# Altium PCB BrewController.PcbDoc (continued)
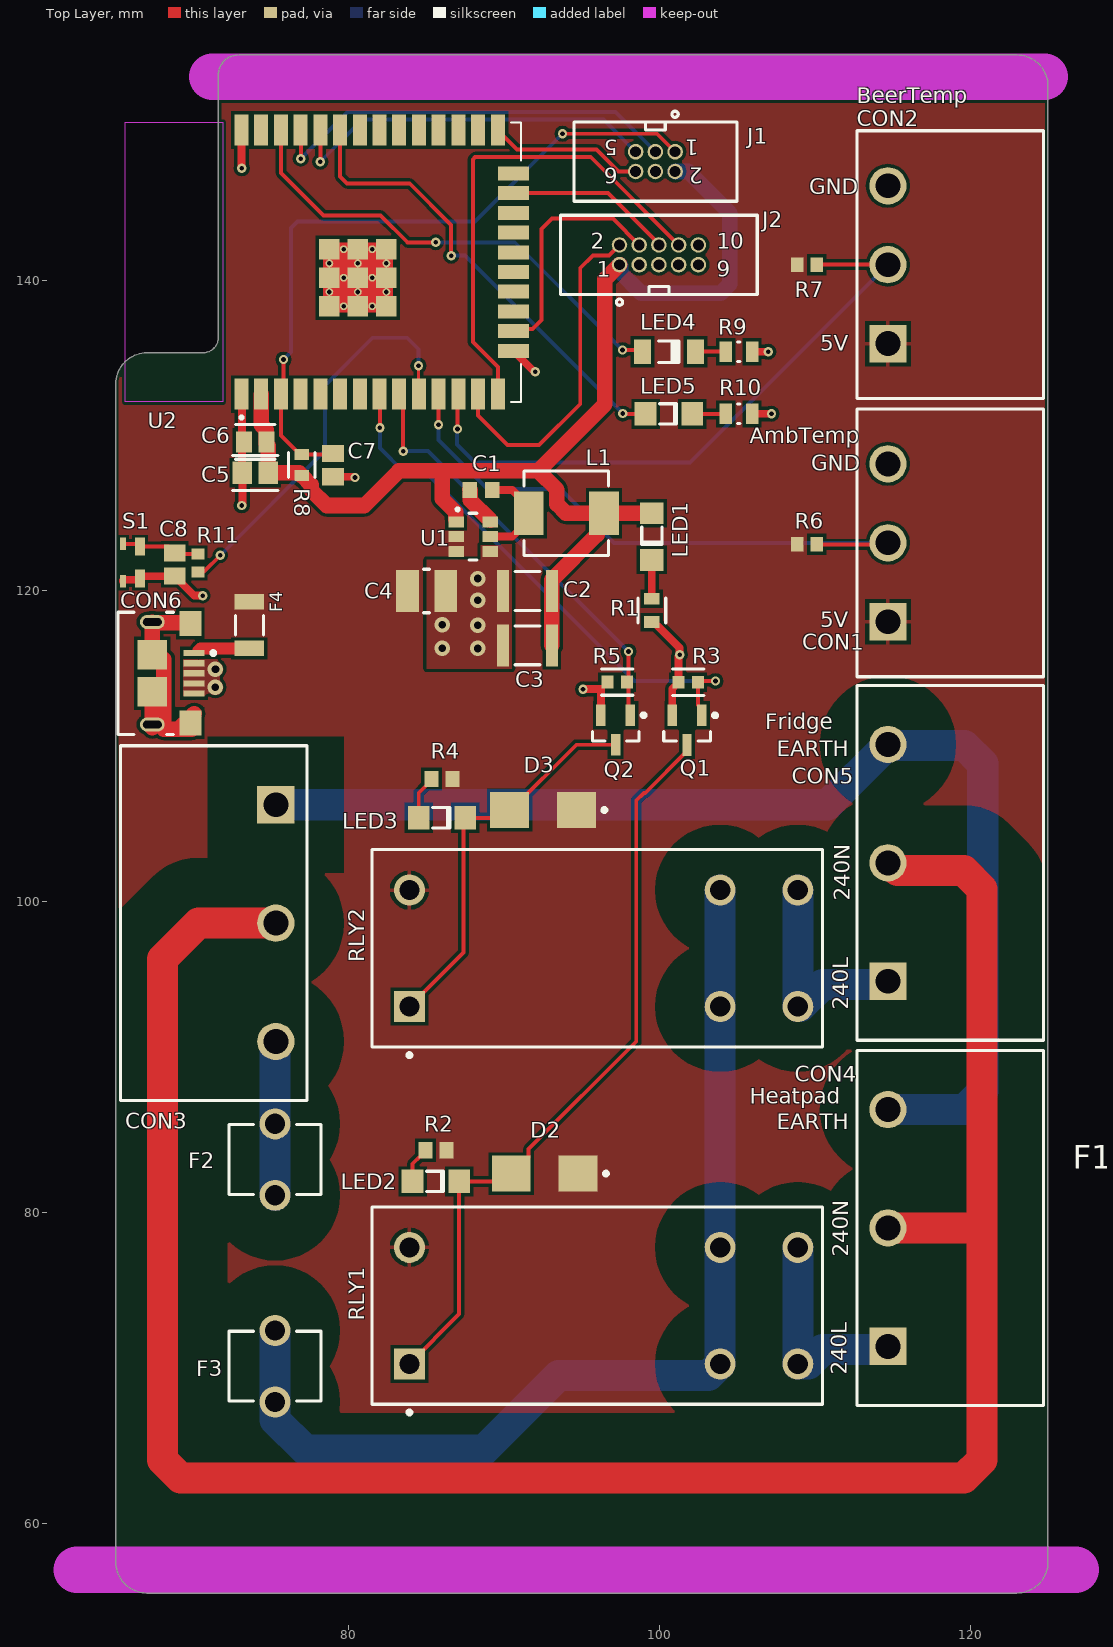
[diagram p0: Top Layer view]
## Part data (continued)
C4: library part CMP-13271-001383-1, "Cap Ceramic 10uF 25V X7R ±10% SMD 1210 +125°C Embossed T/R", Capacitance=10uF, Case Code (Imperial)=1210, Case Code (Metric)=3225, Dielectric=X7R, Manufacturer=Samsung, Max Operating Temperature=125°C, Min Operating Temperature=-55°C, Package Quantity=1000, Supplier Part Number 1=1276-1807-1-ND, Tolerance=10%, Voltage=25V, Case/Package=1210, Category="Ceramic Capacitors", ComponentLink1Description=https://datasheet.ciiva.com/25791/cl32b106kajnnne-25791845.pdf?src-supplier=Digi-Key, ComponentLink1URL=https://datasheet.ciiva.com/25791/cl32b106kajnnne-25791845.pdf?src-supplier=Digi-Key, ComponentLink2Description=https://datasheet.ciiva.com/16437/cl32b106kajnnne-16437180.pdf?src-supplier=Future+Electronics, ComponentLink2URL=https://datasheet.ciiva.com/16437/cl32b106kajnnne-16437180.pdf?src-supplier=Future+Electronics, ComponentLink3Description=https://datasheet.ciiva.com/29202/450857-da-01-en-vs-kondensator-1210-29202679.pdf?src-supplier=Conrad, ComponentLink3URL=https://datasheet.ciiva.com/29202/450857-da-01-en-vs-kondensator-1210-29202679.pdf?src-supplier=Conrad, Contact Plating=Tin, Depth=2.5mm, Height=2.5mm, Length=3.2mm, Manufacturer Part Number=CL32B106KAJNNNE, Material=Ceramic, Mount="Surface Mount", Packaging="Tape and Reel", Radiation Hardening=No, RoHS=Yes, Stock 1=108118, Supplier 1=Digi-Key, Thickness=0.106inch, Voltage Rating=25V, Width=0.098inch
C5: library part CMP-13271-001110-1, "CL21 Series 0805 100nF 50V ±20% Tolerance X7R Multilayer Ceramic Chip Capacitor", Capacitance=100nF, Case Code (Imperial)=0805, Case Code (Metric)=2012, Dielectric=X7R, Manufacturer=Samsung, Max Operating Temperature=125°C, Min Operating Temperature=-55°C, Package Quantity=1, Supplier Part Number 1=1276-2450-1-ND, Tolerance=20%, Voltage=50V, Case/Package=0805, Category="Ceramic Capacitors", ComponentLink1Description=https://datasheet.ciiva.com/16428/cl21b104mbcnnnc-16428869.pdf?src-supplier=Future+Electronics, ComponentLink1URL=https://datasheet.ciiva.com/16428/cl21b104mbcnnnc-16428869.pdf?src-supplier=Future+Electronics, ComponentLink2Description=https://datasheet.ciiva.com/26838/getdatasheetpartid-746552-26838664.pdf?src-supplier=Verical, ComponentLink2URL=https://datasheet.ciiva.com/26838/getdatasheetpartid-746552-26838664.pdf?src-supplier=Verical, ComponentLink3Description=https://datasheet.ciiva.com/25780/cl21b104mbcnnnc-25780224.pdf?src-supplier=Digi-Key, ComponentLink3URL=https://datasheet.ciiva.com/25780/cl21b104mbcnnnc-25780224.pdf?src-supplier=Digi-Key, Depth=1.25mm, Height=0.85mm, Lead Free="Lead Free", Length=2mm, Manufacturer Part Number=CL21B104MBCNNNC, Mount="Surface Mount", Packaging="Tape and Reel", Radiation Hardening=No, RoHS=Yes, Stock 1=1894069, Supplier 1=Digi-Key, Thickness=0.037inch, Voltage Rating=50V, Voltage Rating (DC)=50V, Width=0.049inch
C6: library part CMP-13271-002990-1, "CL21 Series 0805 22uF 16V ±20% Tolerance X5R Multilayer Ceramic Chip Capacitor", Capacitance=22uF, Case Code (Imperial)=0805, Case Code (Metric)=2012, Manufacturer=Samsung, Max Operating Temperature=85°C, Min Operating Temperature=-55°C, Supplier Part Number 1=1276-6780-1-ND, Tolerance=20%, Voltage Rating=16V, Case/Package=0805, Category="Ceramic Capacitors", ComponentLink1Description=http://www.samsungsem.com/kr/support/product-search/mlcc/CL21A226MOCLRNC.jsp?src-supplier=Digi-Key, ComponentLink1URL=http://www.samsungsem.com/kr/support/product-search/mlcc/CL21A226MOCLRNC.jsp?src-supplier=Digi-Key, Length=0.079inch, Manufacturer Part Number=CL21A226MOCLRNC, Mount="Surface Mount", Packaging="Tape and Reel", RoHS=Yes, Stock 1=613946, Supplier 1=Digi-Key, Thickness=0.037inch, Width=0.049inch
C7 C8: "Cap Ceramic 0.1uF 50V X7R 20% SMD 0805 125C Paper T/R", Capacitance=100nF, Case Code (Imperial)=0805, Case Code (Metric)=2012, Dielectric=X7R, Manufacturer=Samsung, Manufacturer Part Number=CL21B104MBCNNNC, Max Operating Temperature=125°C, Min Operating Temperature=-55°C, Package Quantity=1, Supplier Part Number 1=1276-2450-1-ND, Tolerance=20%, Voltage=50V, Case/Package=0805, Category="Ceramic Capacitors", ComponentLink1Description=https://datasheet.ciiva.com/16428/cl21b104mbcnnnc-16428869.pdf?src-supplier=Future+Electronics, ComponentLink1URL=https://datasheet.ciiva.com/16428/cl21b104mbcnnnc-16428869.pdf?src-supplier=Future+Electronics, ComponentLink2Description=https://datasheet.ciiva.com/26838/getdatasheetpartid-746552-26838664.pdf?src-supplier=Verical, ComponentLink2URL=https://datasheet.ciiva.com/26838/getdatasheetpartid-746552-26838664.pdf?src-supplier=Verical, ComponentLink3Description=https://datasheet.ciiva.com/25780/cl21b104mbcnnnc-25780224.pdf?src-supplier=Digi-Key, ComponentLink3URL=https://datasheet.ciiva.com/25780/cl21b104mbcnnnc-25780224.pdf?src-supplier=Digi-Key, Depth=1.25mm, Height=0.85mm, Lead Free="Lead Free", Length=2mm, Manufacturer 1=Samsung, Manufacturer Part Number 1=CL21B104MBCNNNC, Mount="Surface Mount", Packaging="Tape and Reel", Pricing 1="1=0.10000, 10=0.04500, 100=0.02020, 500=0.01444, 1000=0.01134 (USD)", Radiation Hardening=No, RoHS=Yes, Stock 1=1894069, Supplier 1=Digi-Key, Thickness=0.037inch, Voltage Rating=50V, Voltage Rating (DC)=50V, Width=0.049inch
CON1 CON2: library part CMP-1502-02193-1, "Serie 313 - 5.08mm Close Horizontal PCB Header WR-TBL, 3 pin", Color=Green, Current=20A, Manufacturer="Wurth Elektronik", Manufacturer Part Number=691313510003, Operating Temperature=-40to105degC, Package Quantity=450, Supplier Part Number 1=732-2071-ND, Voltage=300V, Category="Terminal Blocks", ComponentLink1Description=http://www.produktinfo.conrad.com/datenblaetter/1000000-1099999/001088686-da-01-en-WR_TBL_TERMINAL_BLOCK313_691313510003.pdf?src-supplier=Conrad, ComponentLink1URL=http://www.produktinfo.conrad.com/datenblaetter/1000000-1099999/001088686-da-01-en-WR_TBL_TERMINAL_BLOCK313_691313510003.pdf?src-supplier=Conrad, ComponentLink2Description=https://www.distrelec.bizhttp://katalog.we-online.de/em/datasheet/6913135100xx.pdf?mime=application%2Fpdf&src-supplier=Distrelec, ComponentLink2URL=https://www.distrelec.bizhttp://katalog.we-online.de/em/datasheet/6913135100xx.pdf?mime=application%2Fpdf&src-supplier=Distrelec, ComponentLink3Description=http://www.farnell.com/datasheets/1442232.pdf?src-supplier=Element14, ComponentLink3URL=http://www.farnell.com/datasheets/1442232.pdf?src-supplier=Element14, ComponentLink4Description=http://katalog.we-online.de/kataloge/eican/media/pdf/6913135100xx.pdf?src-supplier=Newark, ComponentLink4URL=http://katalog.we-online.de/kataloge/eican/media/pdf/6913135100xx.pdf?src-supplier=Newark, ComponentLink5Description=https://katalog.we-online.de/em/datasheet/6913135100xx.pdf?src-supplier=Digi-Key, ComponentLink5URL=https://katalog.we-online.de/em/datasheet/6913135100xx.pdf?src-supplier=Digi-Key, ComponentLink6Description=http://katalog.we-online.de/kataloge/eican/media/pdf/6913135100xx.pdf?src-supplier=Farnell, ComponentLink6URL=http://katalog.we-online.de/kataloge/eican/media/pdf/6913135100xx.pdf?src-supplier=Farnell, Contact Material=Brass, Contact Plating=Tin, Datasheet URL=http://katalog.we-online.de/em/datasheet/6913135100xx.pdf, Gender=Male, Height=12mm, Length=11.5mm, Manufacturer URL=http://www.we-online.de, Mount="Through Hole", Mounting Technology=THT, Number Of Contacts=3, Number of Levels=1, Number of Positions Per Level=3, Number of Rows=1, Package Reference=691313510003, Packaging=Box, Part Number=691313510003, Pin Number=3, Pitch=5.08mm, Publisher=WurthElektronik, REACH SVHC=Unknown, RoHS=Yes, Stock 1=820, Supplier 1=Digi-Key, Termination=Solder, Width=17.24mm
CON3: library part CMP-1502-02425-1, "Serie 3134 - 7.62mm Close Horizontal PCB Header WR-TBL, 3 pin", Color=Green, Current=20A, Manufacturer="Wurth Elektronik", Operating Temperature=-40to105degC, Package Quantity=300, Supplier Part Number 1=8267481, Voltage=300V, Category="Terminal Blocks", ComponentLink1Description=https://datasheet.ciiva.com/795/6913134100xx-795899.pdf?src-supplier=Digi-Key, ComponentLink1URL=https://datasheet.ciiva.com/795/6913134100xx-795899.pdf?src-supplier=Digi-Key, ComponentLink2Description=https://datasheet.ciiva.com/8043/1442230-8043548.pdf?src-supplier=Element14, ComponentLink2URL=https://datasheet.ciiva.com/8043/1442230-8043548.pdf?src-supplier=Element14, ComponentLink3Description=https://datasheet.ciiva.com/48692/001088680-da-01-en-wr-tbl-terminal-block3134-691313410003-48692890.pdf?src-supplier=Conrad, ComponentLink3URL=https://datasheet.ciiva.com/48692/001088680-da-01-en-wr-tbl-terminal-block3134-691313410003-48692890.pdf?src-supplier=Conrad, Contact Material=Brass, Datasheet URL=http://katalog.we-online.de/em/datasheet/6913134100xx.pdf, Gender=Male, Height=12mm, Length=12.5mm, Manufacturer Part Number=691313410003, Manufacturer URL=http://www.we-online.de, Mount="Through Hole", Mounting Technology=THT, Number Of Contacts=3, Number of Levels=1, Number of Positions Per Level=3, Number of Rows=1, Package Reference=691313410003, Packaging=Box, Part Number=691313410003, Pin Number=3, Pitch=7.62mm, Pricing 1="1=1.28000 (AUD)", Publisher=WurthElektronik, REACH SVHC=Unknown, RoHS=Yes, Stock 1=119, Supplier 1=RSComponents, Termination=Solder, Width=22.86mm
CON4 CON5: library part CMP-1502-02425-1, "Serie 3134 - 7.62mm Close Horizontal PCB Header WR-TBL, 3 pin", Color=Green, Current=20A, Manufacturer="Wurth Elektronik", Manufacturer Part Number=691313410003, Operating Temperature=-40to105degC, Package Quantity=300, Supplier Part Number 1=8267481, Voltage=300V, Category="Terminal Blocks", ComponentLink1Description=https://datasheet.ciiva.com/795/6913134100xx-795899.pdf?src-supplier=Digi-Key, ComponentLink1URL=https://datasheet.ciiva.com/795/6913134100xx-795899.pdf?src-supplier=Digi-Key, ComponentLink2Description=https://datasheet.ciiva.com/8043/1442230-8043548.pdf?src-supplier=Element14, ComponentLink2URL=https://datasheet.ciiva.com/8043/1442230-8043548.pdf?src-supplier=Element14, ComponentLink3Description=https://datasheet.ciiva.com/48692/001088680-da-01-en-wr-tbl-terminal-block3134-691313410003-48692890.pdf?src-supplier=Conrad, ComponentLink3URL=https://datasheet.ciiva.com/48692/001088680-da-01-en-wr-tbl-terminal-block3134-691313410003-48692890.pdf?src-supplier=Conrad, Contact Material=Brass, Datasheet URL=http://katalog.we-online.de/em/datasheet/6913134100xx.pdf, Gender=Male, Height=12mm, Length=12.5mm, Manufacturer URL=http://www.we-online.de, Mount="Through Hole", Mounting Technology=THT, Number Of Contacts=3, Number of Levels=1, Number of Positions Per Level=3, Number of Rows=1, Package Reference=691313410003, Packaging=Box, Part Number=691313410003, Pin Number=3, Pitch=7.62mm, Pricing 1="1=1.28000 (AUD)", Publisher=WurthElektronik, REACH SVHC=Unknown, RoHS=Yes, Stock 1=119, Supplier 1=RSComponents, Termination=Solder, Width=22.86mm
CON6: library part CMP-2000-05119-1, "Micro USB B Type Receptacle, -55 to 85 degC, 5-Pin SMD, RoHS, Tape and Reel", Color=Black, Current Rating=1.8A, Flammability Rating=UL94V-0, Insulation Resistance=1000MOhms, Manufacturer=FCI, Max Operating Temperature=85°C, Max Voltage Rating (AC)=100V, Min Operating Temperature=-55°C, Operating Temperature Range=-55Cto+85C, Package Quantity=1200, Supplier Part Number 1=609-4616-1-ND, Brand=FCI, Category="USB Connectors", ComponentLink1Description=https://datasheet.ciiva.com/851/10118193-851106.pdf?src-supplier=Digi-Key, ComponentLink1URL=https://datasheet.ciiva.com/851/10118193-851106.pdf?src-supplier=Digi-Key, ComponentLink2Description=https://datasheet.ciiva.com/4598/10118193ac-197151-4598799.pdf?src-supplier=Mouser, ComponentLink2URL=https://datasheet.ciiva.com/4598/10118193ac-197151-4598799.pdf?src-supplier=Mouser, ComponentLink3Description=https://datasheet.ciiva.com/26853/getdatasheetpartid-418618-26853893.pdf?src-supplier=Verical, ComponentLink3URL=https://datasheet.ciiva.com/26853/getdatasheetpartid-418618-26853893.pdf?src-supplier=Verical, ComponentLink4Description=https://datasheet.ciiva.com/14802/10118193-0001lf-webpage-14802386.pdf?src-supplier=Arrow+Electronics, ComponentLink4URL=https://datasheet.ciiva.com/14802/10118193-0001lf-webpage-14802386.pdf?src-supplier=Arrow+Electronics, ComponentLink5Description=https://datasheet.ciiva.com/851/10118193-851108.pdf?src-supplier=Digi-Key, ComponentLink5URL=https://datasheet.ciiva.com/851/10118193-851108.pdf?src-supplier=Digi-Key, ComponentLink6Description=https://datasheet.ciiva.com/851/10118193-851107.pdf?src-supplier=Digi-Key, ComponentLink6URL=https://datasheet.ciiva.com/851/10118193-851107.pdf?src-supplier=Digi-Key, ComponentLink7Description=https://datasheet.ciiva.com/14618/70236827-14618887.pdf?src-supplier=Allied+Electronics, ComponentLink7URL=https://datasheet.ciiva.com/14618/70236827-14618887.pdf?src-supplier=Allied+Electronics, Connector Type=MicroUSBTypeBreceptacle, Contact Material=CopperAlloy, Contact Plating=Gold, Datasheet URL=http://datasheet.octopart.com/10118193-0001LF-FCI-datasheet-55953155.pdf, Datasheet Version="Rev. C, 05/2015", Depth=5.67mm, Factory Pack Quantity=1200, Features=Shielded, Gender=Female, Housing Material=Polymer, Length=7.86mm, Manufacturer Part Number=10118193-0001LF, Manufacturer URL=http://www.fci.com/, Mount="Surface Mount,Horizontal", Mounting Angle=Right, Number Of Contacts=5Contact, Number of Ports=1, Number of Terminals=5, Orientation="Right Angle", Packaging=Reel, Pitch=0.65mm, Product=MicroUSBTypeBConnectors, Product Category=USBConnectors, Radiation Hardening=No, RoHS=Details, Standard=USB2.0, Stock 1=49167, Supplier 1=Digi-Key, Termination=Solder, Termination Style=SMD/SMT, Voltage Rating=100V
D2 D3: library part CMP-0586-00001-2, "1.0 A Surface Mount Glass Passivated Rectifier, SMB, -65 to 150 degC, Tape and Reel", Average Rectified Current=1A, Capacitance=10pF, Case/Package=SMB, Forward Voltage=1.1V, Forward Voltage (Max)="1.1 V", Manufacturer="Diodes Inc", Max Operating Temperature=150°C, Max Repetitive Reverse Voltage (Vrrm)=50V, Max Reverse Current=5uA, Max Surge Current=30A, Min Operating Temperature=-65°C, Operating and Storage Temperature Range="-65 to 150 degC", Package Quantity=3000, Supplier Part Number 1=S1AB-FDICT-ND, Typical Thermal Resistance, Junction to Terminal="30 degC/W", Typical Total Capacitance (Type)="10 pF", Category="Rectifier Diodes", ComponentLink1Description="Manufacturer URL", ComponentLink1URL=http://www.diodes.com/, ComponentLink2Description=Datasheet, ComponentLink2URL=http://www.diodes.com/datasheets/ds16003.pdf, ComponentLink3Description="Package Specification", ComponentLink3URL=http://www.diodes.com/datasheets/ds16003.pdf, ComponentLink4Description=https://datasheet.ciiva.com/8303/ds16003-8303190.pdf?src-supplier=Avnet, ComponentLink4URL=https://datasheet.ciiva.com/8303/ds16003-8303190.pdf?src-supplier=Avnet, ComponentLink5Description=https://datasheet.ciiva.com/16200/ds16003-16200248.pdf?src-supplier=Future+Electronics, ComponentLink5URL=https://datasheet.ciiva.com/16200/ds16003-16200248.pdf?src-supplier=Future+Electronics, Current Rating=1A, DatasheetVersion="Rev. 22-2", Element Configuration=Single, Forward Current=1A, Height=2.42mm, Lead Free="Lead Free", Length=4.57mm, Manufacturer Part Number=S1AB-13-F, Max Reverse Voltage (DC)=50V, Mounting Technology="Surface Mount", Number of Pins=2, Output Current=1A, PackageDescription="2-Pin SMD, Body 3.62 x 4.315 mm", PackageReference=S1AB-13-F, Packaging="Tape and Reel", Packing="Tape and Reel", PartNumber=S1AB-13-F, Peak Non-Repetitive Surge Current=30A, Polarity=Standard, Radiation Hardening=No, Recovery Time=1.8us, Reverse Recovery Time=1.8us, Reverse Recovery Time (Type)="1.8 us", Reverse Voltage (DC)=50V, RoHS=Yes, RoHS Compliance=TRUE, Stock 1=46580, Supplier 1=Digi-Key, Termination=SMD/SMT, Voltage Rating (DC)=50V, Weight=0.00328oz, Width=3.94mm
F1: library part CMP-08605-000057-1, "FUSE GLASS 2A 250VAC 5X20MM", Fuse Current=2A, Fuse Interrupt Ac Current=35A, Fuse Voltage Drop=150mV, Manufacturer="Littelfuse Inc", Max Fuse Ac Voltage=250V, Package=0, Resistance=0.0293Ω, Temperature="-55°C to +125°C", Temperature Range High=+125°C, Temperature Range Low=-55°C, Automotive=No, Category=Fuse, ComponentLink2Description=Datasheet, ComponentLink2URL=https://www.littelfuse.com/~/media/electronics/datasheets/fuses/littelfuse_fuse_218_datasheet.pdf.pdf, Device Class L1="Circuit Protection", Device Class L2=Fuses, Device Class L3=unset, Digikey Description="FUSE GLASS 2A 250VAC 5X20MM", Fuse Blow Speed=Slow, Fuse I2T=14.45A2Sec, Height=5.3mm, Lead Free=Yes, Manufacturer Part Number=0218002.MXP, Mouser Description="Cartridge Fuses 250V 2A Time Lag (Slo-Blo)", Octopart=https://octopart.com/0218002.mxp-littelfuse-558306, RoHS=TRUE, Voltage Rating=250V
F2 F3: library part CMP-08604-000025-1, "FUSE CLIP CARTRIDGE 600V 20A PCB", Current Rating=20A, Manufacturer=Littelfuse, Package Quantity=1000, Supplier Part Number 1=F4225-ND, Voltage=600V, Voltage Rating=250V, Body Material=Bronze, Category="Fuse Holders", ComponentLink1Description=https://datasheet.ciiva.com/4479/littelfuse-100-445-030-520-fuseclip-195180-4479865.pdf?src-supplier=Mouser, ComponentLink1URL=https://datasheet.ciiva.com/4479/littelfuse-100-445-030-520-fuseclip-195180-4479865.pdf?src-supplier=Mouser, Contact Material=Bronze, Contact Plating=Tin, Depth=5.9mm, Length=4.1mm, Manufacturer Part Number=01000020Z, Mount=PCB, Number of Circuits=1, Orientation=Horizontal, Packaging=Bulk, RoHS=Yes, Stock 1=20344, Supplier 1=Digi-Key, Termination="PC Pin"
F4: library part CMP-16043-000004-1, "PTC RESET FUSE 8V 500MA 1206", Case Code (Imperial)=1206, Case Code (Metric)=3216, Hold Current=500mA, Manufacturer=Bel, Max Current Rating=100A, Max Operating Temperature=85°C, Min Operating Temperature=-40°C, Package Quantity=1, Supplier Part Number 1=507-1802-1-ND, Trip Current=1A, Case/Package=1206, Category="PTC Resettable Fuses", ComponentLink1Description=http://www.farnell.com/datasheets/2571638.pdf?src-supplier=Farnell, ComponentLink1URL=http://www.farnell.com/datasheets/2571638.pdf?src-supplier=Farnell, ComponentLink2Description=https://www.belfuse.com/resources/CircuitProtection/datasheets/0ZCJ%20Nov2016.pdf?src-supplier=Digi-Key, ComponentLink2URL=https://www.belfuse.com/resources/CircuitProtection/datasheets/0ZCJ%20Nov2016.pdf?src-supplier=Digi-Key, ComponentLink3Description=http://belfuse.com/pdfs/0ZCJ.pdf?src-supplier=Avnet, ComponentLink3URL=http://belfuse.com/pdfs/0ZCJ.pdf?src-supplier=Avnet, ComponentLink4Description=http://belfuse.com/pdfs/0ZCJ.pdf?src-supplier=Avnet+Asia, ComponentLink4URL=http://belfuse.com/pdfs/0ZCJ.pdf?src-supplier=Avnet+Asia, ComponentLink5Description=http://www.farnell.com/datasheets/2571638.pdf?src-supplier=Newark, ComponentLink5URL=http://www.farnell.com/datasheets/2571638.pdf?src-supplier=Newark, Contact Plating=Tin, Lead Free="Lead Free", Manufacturer Part Number=0ZCJ0050FF2G, Mount="Surface Mount", Packaging="Tape and Reel", RoHS=Yes, Stock 1=196684, Supplier 1=Digi-Key, Time to Trip=0.1s
J1: "CONN HEADER 6POS UNSHD VERT T/H", Color=Black, Contact Resistance=30mR, Current Rating=6A, Insulation Resistance=100MR, Manufacturer="Amphenol FCI", Manufacturer Part Number=20021111-00006T4LF, Max Operating Temperature=85°C, Max Voltage Rating (AC)=125V, Min Operating Temperature=-40°C, Package Quantity=153, Supplier Part Number 1=609-3710-ND, Category="Headers and Wire Housings", ComponentLink1Description=https://datasheet.ciiva.com/1433/1079612-1433265.pdf?src-supplier=Element14, ComponentLink1URL=https://datasheet.ciiva.com/1433/1079612-1433265.pdf?src-supplier=Element14, ComponentLink2Description=https://datasheet.ciiva.com/10033/20021111-10033816.pdf?src-supplier=Avnet, ComponentLink2URL=https://datasheet.ciiva.com/10033/20021111-10033816.pdf?src-supplier=Avnet, ComponentLink3Description=https://datasheet.ciiva.com/409/20021111-409250.pdf?src-supplier=Digi-Key, ComponentLink3URL=https://datasheet.ciiva.com/409/20021111-409250.pdf?src-supplier=Digi-Key, ComponentLink4Description=https://datasheet.ciiva.com/5131/20021111-5131319.pdf?src-supplier=Mouser, ComponentLink4URL=https://datasheet.ciiva.com/5131/20021111-5131319.pdf?src-supplier=Mouser, Connector Type="Male Pin,Header", Contact Material="Nickel,Copper Alloy,Copper,Gold", Contact Mating Length=0.12inch, Contact Plating=Gold, Contact Post Length=2.3mm, Depth=3.4mm, Gender=Male, Housing Color=Black, Housing Material=Thermoplastic, Lead Free="Lead Free", Length=3.81mm, Manufacturer 1="Amphenol FCI", Manufacturer Part Number 1=20021111-00006T4LF, Mount="Through Hole", Number Of Contacts=6, Number of Positions=6, Number of Rows=2, Orientation=Straight, Packaging=Rail/Tube, Pitch=1.27mm, Pricing 1="1=0.42000, 10=0.39200, 100=0.30080, 500=0.26160, 1000=0.21582, 5000=0.18966, 10000=0.17658 (USD)", REACH SVHC="No SVHC", RoHS=Yes, Row Spacing=0.05inch, Stock 1=8493, Supplier 1=Digi-Key, Termination=Solder, Voltage Rating=125V
J2: "CONN HEADER VERT 10POS 1.27MM", Manufacturer="CNC Tech", Manufacturer Part Number=3220-10-0100-00, Package Quantity=3200, Supplier Part Number 1=1175-1627-ND, Category="Headers and Wire Housings", ComponentLink1Description=https://datasheet.ciiva.com/18655/3220-xx-0100-00-18655342.pdf?src-supplier=Digi-Key, ComponentLink1URL=https://datasheet.ciiva.com/18655/3220-xx-0100-00-18655342.pdf?src-supplier=Digi-Key, Connector Type="Male Pin", Contact Plating=Gold, Manufacturer 1="CNC Tech", Manufacturer Part Number 1=3220-10-0100-00, Mount="Through Hole", Number of Positions=10, Number of Rows=2, Packaging=Tray, Pitch=0.05inch, Pricing 1="1=0.58000, 10=0.54000, 100=0.41400, 500=0.36000, 1000=0.29700, 5000=0.26100, 10000=0.24300 (USD)", RoHS=Yes, Row Spacing=0.05inch, Stock 1=83441, Supplier 1=Digi-Key, Termination=Solder
L1: library part CMP-02424-000416-1, "Fixed Inductors Commercial Low DCR Series 4.7uH 3.2A 81.3mΩ 20%", Case/Package=2020, Current Rating=3.2A, DC Resistance (DCR)=81.3mR, Inductance=4.7uH, Inductance Tolerance=20%, Manufacturer="Vishay Dale", Max DC Current=3A, Max Operating Temperature=125°C, Min Operating Temperature=-55°C, Package Quantity=2000, Self Resonant Frequency=27MHz, Supplier Part Number 1=541-1222-1-ND, Test Frequency=100kHz, Category="Fixed Inductors", ComponentLink1Description=https://datasheet.ciiva.com/11798/0900766b8102c92e-11798345.pdf?src-supplier=RSComponents, ComponentLink1URL=https://datasheet.ciiva.com/11798/0900766b8102c92e-11798345.pdf?src-supplier=RSComponents, ComponentLink2Description=https://datasheet.ciiva.com/16496/lp20bz11-16496630.pdf?src-supplier=Future+Electronics, ComponentLink2URL=https://datasheet.ciiva.com/16496/lp20bz11-16496630.pdf?src-supplier=Future+Electronics, ComponentLink3Description=https://datasheet.ciiva.com/1051/lp20bz11-1051771.pdf?src-supplier=Digi-Key, ComponentLink3URL=https://datasheet.ciiva.com/1051/lp20bz11-1051771.pdf?src-supplier=Digi-Key, ComponentLink4Description=https://datasheet.ciiva.com/1051/lp20bz11-1051772.pdf?src-supplier=Digi-Key, ComponentLink4URL=https://datasheet.ciiva.com/1051/lp20bz11-1051772.pdf?src-supplier=Digi-Key, ComponentLink5Description=https://datasheet.ciiva.com/1051/lp20bz11-1051773.pdf?src-supplier=Digi-Key, ComponentLink5URL=https://datasheet.ciiva.com/1051/lp20bz11-1051773.pdf?src-supplier=Digi-Key, Core Material=Metal, Depth=5.43mm, Height=2mm, Height - Seated (Max)=0.079inch, Lead Free="Lead Free", Length=5.49mm, Manufacturer Part Number=IHLP2020BZER4R7M11, Military Standard=Not, Mount="Surface Mount", Number of Pins=2020, Packaging="Tape and Reel", Radiation Hardening=No, REACH SVHC=Unknown, RMS Current (Irms)=3.2A, RoHS=Yes, Saturation Current=3A, Shielding=Shielded, Stock 1=301, Supplier 1=Digi-Key, Termination=SMD/SMT, Tolerance=20%, Width=0.204inch
LED1 LED2 LED3: library part CMP-1426-00016-1, "SMD mono-color Chip LED, WL-SMCW, Bright Green", Case Code (Imperial)=1206, Case Code (Metric)=3216, Color="Bright Green", Forward Current=30mA, Forward Voltage=2V, Manufacturer="Wuerth Elektronik", Max Operating Temperature=85°C, Min Operating Temperature=-40°C, Package Quantity=1, Supplier Part Number 1=732-4993-1-ND, Test Current=20mA, Case/Package=1206, Category=LEDs, ComponentLink1Description="Manufacturer URL", ComponentLink1URL=http://www.we-online.com, ComponentLink2Description=Datasheet, ComponentLink2URL=http://katalog.we-online.com/led/datasheet/150120VS75000.pdf, ComponentLink3Description=https://datasheet.ciiva.com/29561/150120vs75000-29561865.pdf?src-supplier=Digi-Key, ComponentLink3URL=https://datasheet.ciiva.com/29561/150120vs75000-29561865.pdf?src-supplier=Digi-Key, ComponentLink4Description=https://datasheet.ciiva.com/29279/759444-da-01-en-chipled-1206-w-kl-h-gruen-150120vs7500-29279050.pdf?src-supplier=Conrad, ComponentLink4URL=https://datasheet.ciiva.com/29279/759444-da-01-en-chipled-1206-w-kl-h-gruen-150120vs7500-29279050.pdf?src-supplier=Conrad, ComponentLink5Description=https://datasheet.ciiva.com/29561/150120vs75000-29561866.pdf?src-supplier=Digi-Key, ComponentLink5URL=https://datasheet.ciiva.com/29561/150120vs75000-29561866.pdf?src-supplier=Digi-Key, ComponentLink6Description=https://datasheet.ciiva.com/22656/1911467-22656987.pdf?src-supplier=Element14, ComponentLink6URL=https://datasheet.ciiva.com/22656/1911467-22656987.pdf?src-supplier=Element14, ComponentLink7Description=https://datasheet.ciiva.com/29561/150120vs75000-29561867.pdf?src-supplier=Digi-Key, ComponentLink7URL=https://datasheet.ciiva.com/29561/150120vs75000-29561867.pdf?src-supplier=Digi-Key, Dominant Wavelength=570nm, Height=0.68mm, Length=3.2mm, Lens Style=Clear,Rectangular, Luminous Intensity=40mcd, Manufacturer Part Number=150120VS75000, Mount="Surface Mount", PackageReference=1206_A, Packaging="Tape and Reel", PartNumber=150120VS75000, REACH SVHC=Unknown, RoHS=Yes, Stock 1=4286, Supplier 1=Digi-Key, Viewing Angle=140°, Wavelength=570nm, Width=1.6mm
LED4: library part CMP-1428-00001-1, "SMD mono-color reverse mount waterclear Chip LED, WL-SMRW, Yellow", Case Code (Imperial)=1206, Case Code (Metric)=3216, Color=Yellow, Forward Current=25mA, Forward Voltage=2V, Manufacturer="Wuerth Elektronik", Max Operating Temperature=80°C, Min Operating Temperature=-40°C, Package Quantity=2000, Supplier Part Number 1=732-5035-1-ND, Test Current=20mA, Case/Package=1206, Category=LEDs, ComponentLink1Description="Manufacturer URL", ComponentLink1URL=http://www.we-online.com, ComponentLink2Description=Datasheet, ComponentLink2URL=http://katalog.we-online.com/led/datasheet/156120YS75300.pdf, ComponentLink3Description=https://datasheet.ciiva.com/23843/156120ys75300-23843300.pdf?src-supplier=Newark, ComponentLink3URL=https://datasheet.ciiva.com/23843/156120ys75300-23843300.pdf?src-supplier=Newark, ComponentLink4Description=https://datasheet.ciiva.com/29279/759454-da-01-en-smd-chipled-rev-gelb-156120ys75300-29279081.pdf?src-supplier=Conrad, ComponentLink4URL=https://datasheet.ciiva.com/29279/759454-da-01-en-smd-chipled-rev-gelb-156120ys75300-29279081.pdf?src-supplier=Conrad, ComponentLink5Description=https://datasheet.ciiva.com/29562/156120ys75300-29562981.pdf?src-supplier=Digi-Key, ComponentLink5URL=https://datasheet.ciiva.com/29562/156120ys75300-29562981.pdf?src-supplier=Digi-Key, ComponentLink6Description=https://datasheet.ciiva.com/29562/156120ys75300-29562982.pdf?src-supplier=Digi-Key, ComponentLink6URL=https://datasheet.ciiva.com/29562/156120ys75300-29562982.pdf?src-supplier=Digi-Key, ComponentLink7Description=https://datasheet.ciiva.com/29562/156120ys75300-29562983.pdf?src-supplier=Digi-Key, ComponentLink7URL=https://datasheet.ciiva.com/29562/156120ys75300-29562983.pdf?src-supplier=Digi-Key, ComponentLink8Description=https://datasheet.ciiva.com/22657/1911476-22657082.pdf?src-supplier=Element14, ComponentLink8URL=https://datasheet.ciiva.com/22657/1911476-22657082.pdf?src-supplier=Element14, ComponentLink9Description=https://datasheet.ciiva.com/48430/156120ys75300-eng-tds-48430218.pdf?src-supplier=Distrelec, ComponentLink9URL=https://datasheet.ciiva.com/48430/156120ys75300-eng-tds-48430218.pdf?src-supplier=Distrelec, Dominant Wavelength=589nm, Height=1.2mm, Length=3.2mm, Lens Style=Cylindrical, Lens Type=Cylindrical, Luminous Intensity=80mcd, Manufacturer Part Number=156120YS75300, Mount="Surface Mount", PackageReference="1206  CYLINDRICAL- Reverse Use", Packaging="Tape and Reel", PartNumber=156120YS75300, REACH SVHC=Unknown, RoHS=Yes, Stock 1=2873, Supplier 1=Digi-Key, Viewing Angle=140°, Wavelength=589nm, Width=1.6mm
LED5: library part CMP-1426-00017-1, "SMD mono-color Chip LED, WL-SMCW, Super Red", Case Code (Imperial)=1206, Case Code (Metric)=3216, Color="Super Red", Forward Current=30mA, Forward Voltage=1.9V, Manufacturer="Wuerth Elektronik", Max Operating Temperature=85°C, Min Operating Temperature=-40°C, Package Quantity=3000, Supplier Part Number 1=732-4992-1-ND, Test Current=20mA, Case/Package=1206, Category=LEDs, ComponentLink1Description="Manufacturer URL", ComponentLink1URL=http://www.we-online.com, ComponentLink2Description=Datasheet, ComponentLink2URL=http://katalog.we-online.com/led/datasheet/150120SS75000.pdf, ComponentLink3Description=https://datasheet.ciiva.com/29561/150120ss75000-29561862.pdf?src-supplier=Digi-Key, ComponentLink3URL=https://datasheet.ciiva.com/29561/150120ss75000-29561862.pdf?src-supplier=Digi-Key, ComponentLink4Description=https://datasheet.ciiva.com/29279/759443-da-01-en-chipled-1206-w-kl-s-rot-150120ss75000-29279053.pdf?src-supplier=Conrad, ComponentLink4URL=https://datasheet.ciiva.com/29279/759443-da-01-en-chipled-1206-w-kl-s-rot-150120ss75000-29279053.pdf?src-supplier=Conrad, ComponentLink5Description=https://datasheet.ciiva.com/29561/150120ss75000-29561863.pdf?src-supplier=Digi-Key, ComponentLink5URL=https://datasheet.ciiva.com/29561/150120ss75000-29561863.pdf?src-supplier=Digi-Key, ComponentLink6Description=https://datasheet.ciiva.com/48430/150120ss75000-eng-tds-48430055.pdf?src-supplier=Distrelec, ComponentLink6URL=https://datasheet.ciiva.com/48430/150120ss75000-eng-tds-48430055.pdf?src-supplier=Distrelec, ComponentLink7Description=https://datasheet.ciiva.com/29561/150120ss75000-29561864.pdf?src-supplier=Digi-Key, ComponentLink7URL=https://datasheet.ciiva.com/29561/150120ss75000-29561864.pdf?src-supplier=Digi-Key, Dominant Wavelength=630nm, Height=0.68mm, Length=3.2mm, Lens Style=Clear,Rectangular, Luminous Intensity=60mcd, Manufacturer Part Number=150120SS75000, Mount="Surface Mount", PackageReference=1206_A, Packaging="Tape and Reel", PartNumber=150120SS75000, REACH SVHC=Unknown, RoHS=Yes, Stock 1=1722, Supplier 1=Digi-Key, Viewing Angle=140°, Wavelength=630nm, Width=1.6mm